# Altium PCB Waffling60-NMB.PcbDoc (part 3 of 3)
Units mm, origin at the board's own origin, x right, y up, seen from the top; angles counter-clockwise.
Board outline 284.7 x 94.21 mm, 2 copper layers (Component Side, Bottom Layer), stack 1.571 mm thick; 209 components, 132 nets, 867 pads, 230 vias.
Unrouted connection lines stored in the file: 4.
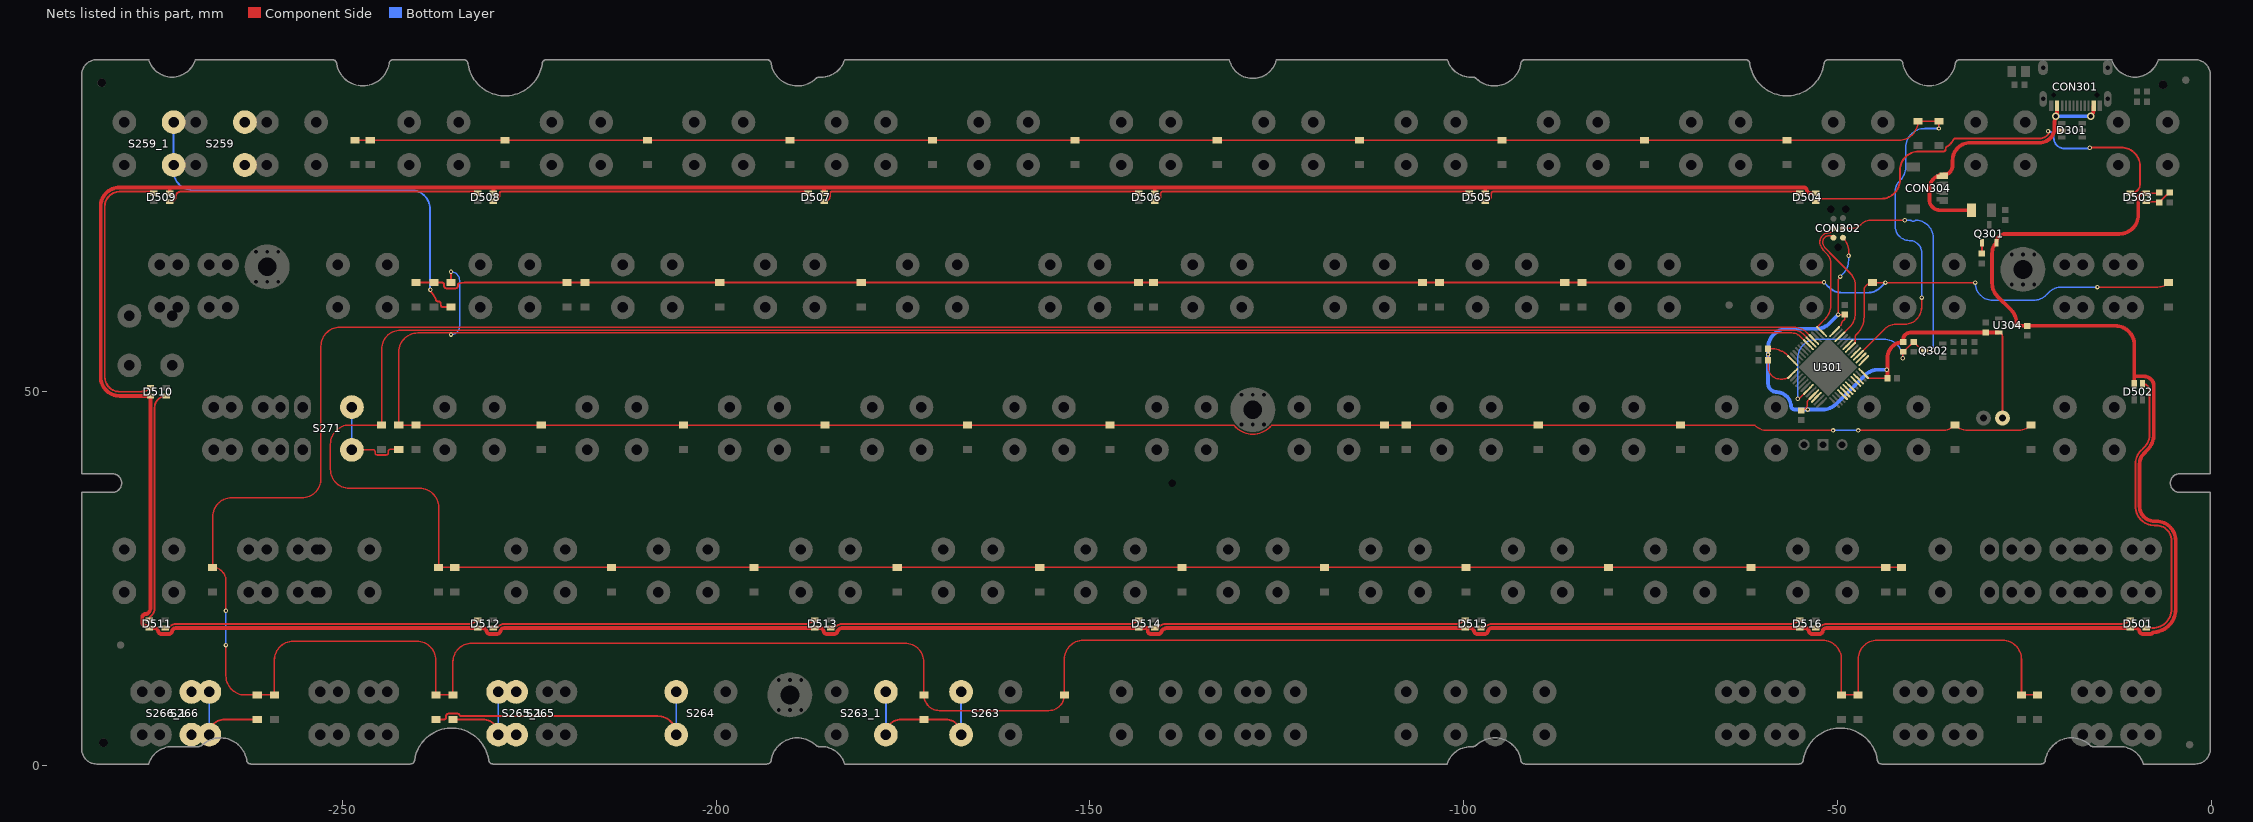
[diagram p3: the nets of this part, all layers, seen from the top]

## Via types
v1: diameter 0.6, hole 0.3, Component Side to Bottom Layer, tented both sides, 201 vias
v2: diameter 0.6, hole 0.3, Component Side to Bottom Layer, tented bottom, 25 vias
v3: diameter 1, hole 0.6, Component Side to Bottom Layer, tented both sides, 4 vias

## Nets (pads, with @x,y where several pads share a name; then routed paths per layer and width w, separated by ;. In a path a pad name is that pad's centre, name@x,y a point inside that pad or via, vN(x,y) a via of type N, cw(c..) or ccw(c..) an arc to the next point about the centre after c; other vN are vias at no path point) (continued)
NetD263_1: D263.1 S263.2 S263_1.2 | length 23.8
  Component Side w0.254: S263_1.2@-177.299,4.135 cw(c-175.251,4.135) -175.251,6.183 D263.1@-172.212,6.183 -169.279,6.183 cw(c-169.279,4.135) S263.2@-167.231,4.135
  Bottom Layer w0.254: S263_1.2@-177.299,4.135 S263_1.2@-177.299,9.855 ; S263.2@-167.231,4.135 S263.2@-167.231,9.855
NetD264_1: D264.1 S264.1 | length 39.9
  Component Side w0.254: D264.1@-237.49,6.183 -236.375,6.183 ccw(c-236.375,6.437) -236.121,6.437 -236.121,6.638 cw(c-235.814,6.638) -235.814,6.945 -234.594,6.945 cw(c-234.594,6.638) -234.314,6.765 ccw(c-234.084,6.871) -234.085,6.617 -207.813,6.617 cw(c-207.813,4.135) S264.1@-205.331,4.135
  Bottom Layer w0.254: S264.1@-205.331,4.135 S264.1@-205.331,9.855
NetD265_1: D265.1 S265.2 S265_1.2 | length 12.9
  Component Side w0.254: D265.1@-235.204,6.183 -231.191,6.183 cw(c-231.191,4.135) S265_1.2@-229.143,4.135
  Bottom Layer w0.254: S265_1.2@-229.143,4.135 S265_1.2@-229.143,9.855
NetD266_1: D266.1 S266.1 S266_1.1 | length 13.3
  Component Side w0.254: S266.1@-267.787,4.135 cw(c-265.739,4.135) -265.739,6.183 D266.1@-261.366,6.183
  Bottom Layer w0.254: S266.1@-267.787,4.135 S266.1@-267.787,9.855
NetD271_1: D271.1 S271.1 | length 13
  Component Side w0.203: S271.1@-248.712,42.235 -245.824,42.235 cw(c-245.824,42.032) -245.621,42.032 -245.621,41.828 ccw(c-245.339,41.828) -245.59,41.701 ccw(c-245.339,41.828) -245.339,41.546 -244.119,41.546 ccw(c-244.119,41.828) -243.837,41.828 -243.837,42.08 cw(c-243.634,42.08) -243.634,42.283 D271.1@-242.443,42.283
  Bottom Layer w0.203: S271.1@-248.712,42.235 S271.1@-248.712,47.955
NetD501_2: D501.2 D502.4 | length 38.9
  Component Side w0.254: D502.4@-9.208,51.065 cw(c-9.208,50.112) -8.255,50.112 -8.255,44.359 cw(c-10.795,44.359) -8.999,42.563 -9.416,42.146 ccw(c-7.62,40.35) -10.16,40.35 -10.16,34.671 ccw(c-7.62,34.671) -7.62,32.131 -7.366,32.131 cw(c-7.366,30.099) -5.334,30.099 -5.334,20.934 cw(c-7.874,20.934) -7.874,18.394 D501.2@-8.693,18.394
NetD501_4: D501.4 D516.2 | length 42.4
  Component Side w0.254: D516.2@-52.91,18.394 -52.537,18.4 -52.51,18.4 ccw(c-52.565,18.648) -52.357,18.501 cw(c-51.492,17.894) -51.494,18.951 -12.134,18.951 ccw(c-12.134,20.805) D501.4@-10.823,19.494
NetD503_2: D503.2 D504.4 | length 56.1
  Component Side w0.254: D504.4@-52.91,75.45 cw(c-52.019,74.559) -52.019,75.819 -44.196,75.819 ccw(c-44.196,78.359) -41.656,78.359 -41.656,79.621 cw(c-39.116,79.621) -39.116,82.161 -35.839,82.161 ccw(c-35.839,82.468) -35.532,82.468 -35.532,82.561 cw(c-35.278,82.56) -35.4,82.782 ccw(c-36.449,84.701) -34.49,83.729 cw(c-34.263,83.615) -34.264,83.869 -23.006,83.869 ccw(c-23.006,85.344) v1@-21.702,84.655 ; v1@-16.256,82.677 -12.065,82.677 cw(c-12.065,80.137) -9.525,80.137 -9.525,77.848 cw(c-10.823,77.848) D503.2@-10.823,76.55
  Bottom Layer w0.254: v1(-21.85,84.836) cw(c-21.85,84.068) -21.082,84.068 -21.082,83.947 ccw(c-19.685,83.947) -19.685,82.55 -16.361,82.55 ccw(c-16.361,82.64) v1(-16.271,82.64)
NetD503_4: D503.4 R306.2 R308.1 | length 3.7
  Component Side w0.203: D503.4@-8.693,75.45 -7.085,75.45 R306.2@-6.985,75.35 -6.96,75.35 -5.958,76.352 -5.886,76.352 R308.1@-5.588,76.65
NetD504_2: D504.2 D505.4 | length 43.1
  Component Side w0.254: D505.4@-97.126,75.45 -96.753,75.541 ccw(c-97.126,76.257) -96.334,76.101 cw(c-96.085,76.05) -96.33,76.117 ccw(c-96.626,76.2) -96.319,76.2 -96.319,76.519 cw(c-96.065,76.519) -96.075,76.773 ; -96.074,76.773 -55.263,76.773 cw(c-55.263,76.55) D504.2@-55.04,76.55
NetD505_2: D505.2 D506.4 | length 43
  Component Side w0.254: D506.4@-141.343,75.45 -140.97,75.541 ccw(c-141.343,76.257) -140.551,76.101 cw(c-140.302,76.05) -140.547,76.117 ccw(c-140.843,76.2) -140.536,76.2 -140.536,76.519 cw(c-140.282,76.518) -140.331,76.767 cw(c-140.27,76.454) -140.27,76.773 -99.779,76.773 cw(c-99.78,76.519) -99.707,76.762 D505.2@-99.629,76.739 ; D505.2@-99.629,76.739 D505.2@-99.256,76.55
NetD506_2: D506.2 D507.4 | length 43
  Component Side w0.254: D507.4@-185.56,75.45 -185.187,75.541 ccw(c-185.56,76.257) -184.768,76.101 cw(c-184.519,76.05) -184.764,76.117 ccw(c-185.06,76.2) -184.753,76.2 -184.753,76.519 cw(c-184.499,76.519) -184.499,76.773 -143.846,76.773 D506.2@-143.473,76.55
NetD507_2: D507.2 D508.4 | length 43
  Component Side w0.254: D508.4@-229.776,75.45 -229.403,75.541 ccw(c-229.776,76.257) -228.984,76.101 cw(c-228.735,76.05) -228.98,76.117 ccw(c-229.276,76.2) -228.969,76.2 -228.969,76.519 cw(c-228.715,76.519) -228.715,76.773 -188.234,76.773 cw(c-188.235,76.519) -188.072,76.713 D507.2@-188.064,76.707 ; D507.2@-188.063,76.707 D507.2@-187.69,76.55
NetD508_2: D508.2 D509.4 | length 42
  Component Side w0.254: D509.4@-273.093,75.45 -272.911,75.45 ccw(c-272.911,76.073) -272.288,76.073 cw(c-271.588,76.073) -271.588,76.773 -232.279,76.773 D508.2@-231.906,76.55
NetD509_2: D509.2 D510.4 | length 38
  Component Side w0.254: D510.4@-275.651,50.55 cw(c-276.962,51.861) -276.624,50.038 cw(c-276.962,51.861) -276.962,50.007 -279.781,50.007 cw(c-279.781,51.99) -281.764,51.99 -281.764,74.79 cw(c-279.781,74.79) -281.344,76.011 cw(c-281.144,75.853) -281.325,76.032 -281.023,76.334 cw(c-280.844,76.153) -281.001,76.353 cw(c-279.781,74.79) -279.781,76.773 -275.446,76.773 cw(c-275.446,76.55) D509.2@-275.223,76.55
NetD510_2: D510.2 D511.4 | length 31.1
  Component Side w0.254: D511.4@-275.823,19.494 -275.811,19.717 -275.811,19.755 cw(c-275.569,19.677) -275.709,19.889 ccw(c-276.287,20.774) -275.478,20.094 ccw(c-276.733,21.148) -275.094,21.148 -275.094,47.877 cw(c-273.521,47.877) D510.2@-273.521,49.45
NetD511_2: D511.2 D512.4 | length 42.2
  Component Side w0.254: D511.2@-273.693,18.394 -273.32,18.358 -273.225,18.358 ccw(c-273.452,18.473) -273.224,18.36 cw(c-272.275,17.894) -272.277,18.951 -233.217,18.951 ccw(c-233.217,20.805) D512.4@-231.906,19.494
NetD512_2: D512.2 D513.4 | length 43.3
  Component Side w0.254: D512.2@-229.776,18.394 -229.403,18.399 -229.378,18.399 ccw(c-229.429,18.648) -229.222,18.501 cw(c-228.359,17.89) -228.704,18.889 cw(c-228.336,17.822) -228.336,18.951 -188.134,18.951 ccw(c-188.134,20.805) D513.4@-186.823,19.494
NetD513_2: D513.2 D514.4 | length 41.5
  Component Side w0.254: D513.2@-184.693,18.394 -184.28,18.394 ccw(c-184.281,18.648) -184.092,18.478 cw(c-183.302,17.776) -184.051,18.523 -183.932,18.641 cw(c-183.184,17.894) -183.184,18.951 -144.784,18.951 ccw(c-144.784,20.805) D514.4@-143.473,19.494
NetD514_2: D514.2 D515.4 | length 41.8
  Component Side w0.254: D514.2@-141.343,18.394 -140.97,18.4 -140.943,18.4 ccw(c-140.998,18.648) -140.79,18.501 cw(c-139.925,17.894) -139.927,18.951 -101.134,18.951 ccw(c-101.134,20.805) D515.4@-99.823,19.494
NetD515_2: D515.2 D516.4 | length 43
  Component Side w0.254: D515.2@-97.693,18.394 -97.32,18.4 -97.293,18.4 ccw(c-97.348,18.648) -97.14,18.501 cw(c-96.275,17.894) -96.277,18.951 -56.351,18.951 ccw(c-56.351,20.805) D516.4@-55.04,19.494
NetQ301_1: Q301.1 R307.1 | length 1.5
  Component Side w0.254: R307.1@-30.734,68.468 ccw(c-30.734,68.534) -30.668,68.534 Q301.1@-30.668,69.92
NRST: C310.1 CON302.3 Q302.3 R303.2 U301.7 | length 58.7
  Component Side w0.203: v1(-55.342,49.08) ccw(c-55.342,49.581) -54.989,49.227 U301.7@-54.07,50.145 ; CON302.3@-49.276,71.882 -47.91,71.882 ccw(c-47.91,73.183) -46.99,72.263 cw(c-45.457,70.73) -46.78,72.447 cw(c-45.598,71.265) -45.598,72.937 v1(-41.011,72.937) ; v1(-41.275,54.483) -41.275,55.3 cw(c-41.218,55.3) R303.2@-41.218,55.357 -40.895,55.655 -40.144,56.359 C310.1@-39.821,56.657 -39.498,56.359 -38.752,55.672 Q302.3@-38.354,55.499 -37.338,55.499 ccw(c-37.338,55.626) v1(-37.211,55.626)
  Bottom Layer w0.203: v1(-55.342,49.08) -55.342,54.483 cw(c-52.802,54.483) -52.802,57.023 -43.815,57.023 cw(c-43.815,54.483) v1(-41.275,54.483) ; v1(-41.011,72.937) -40.282,72.937 cw(c-40.283,72.734) -40.259,72.936 cw(c-40.283,72.734) -40.179,72.908 ccw(c-39.878,73.406) -39.578,72.907 cw(c-39.475,72.733) -39.536,72.927 cw(c-39.475,72.733) -39.469,72.936 cw(c-39.546,70.611) -37.22,70.611 cw(c-39.751,70.396) -37.211,70.396 v1(-37.211,55.626)
PA0: U301.10
PA6: U301.16
PA7: U301.17
PA9: D215.2 D216.2 D217.2 D218.2 D219.2 D220.2 D221.2 D222.2 D223.2 D224.2 D225.2 D226.2 D227.2 D228.2 U301.30 | length 249.3
  Component Side w0.203: U301.30@-47.79,56.426 -47.689,56.527 -47.687,56.583 cw(c-47.484,56.578) -47.663,56.674 ccw(c-48.042,56.88) -47.611,56.897 -47.611,57.389 cw(c-47.229,57.389) -47.499,57.659 -47.384,57.775 ccw(c-49.609,60.004) -46.459,60.005 -46.459,63.483 cw(c-45.339,63.483) D216.2@-45.339,64.603 v1(-43.601,64.603) v1(-31.593,64.603) ; v1(-15.24,64.008) -7.151,64.008 ccw(c-7.151,66.039) D215.2@-5.715,64.603
  Component Side w0.254: D227.2@-240.157,64.603 D228.2@-237.744,64.603 -236.629,64.603 cw(c-236.629,64.349) -236.375,64.349 -236.375,64.148 ccw(c-236.068,64.148) -236.068,63.841 -234.848,63.841 ccw(c-234.848,64.148) -234.541,64.148 -234.541,64.258 cw(c-234.287,64.257) -234.359,64.5 cw(c-233.644,62.063) -233.644,64.603 D226.2@-219.964,64.603 D225.2@-217.551,64.603 D224.2@-199.517,64.603 D223.2@-180.594,64.603 D222.2@-143.51,64.603 D221.2@-141.478,64.603 D220.2@-105.537,64.603 D219.2@-103.251,64.603 D218.2@-86.487,64.603 D217.2@-84.201,64.603 -84.161,64.643 v1(-51.816,64.643)
  Bottom Layer w0.203: v1(-31.593,64.603) ccw(c-29.22,64.603) -29.22,62.23 -23.85,62.23 ccw(c-23.85,64.77) -22.054,62.974 -21.749,63.278 ; -21.749,63.279 cw(c-19.988,61.517) -19.988,64.008 v1(-15.24,64.008)
  Bottom Layer w0.254: v1(-51.816,64.643) -51.163,63.99 ccw(c-49.367,65.786) -49.367,63.246 -46.01,63.246 ccw(c-46.01,65.786) -44.214,63.99 v1(-43.601,64.603)
PA10: U301.31
PB0: U301.18
PB1: U301.19
PB4: D241.2 D256.2 D257.2 D258.2 D260.2 D261.2 D262.2 D263.2 D264.2 D265.2 D266.2 U301.40 | length 553.7
  Component Side w0.203: v1(-265.557,16.129) -265.557,11.993 ccw(c-263.017,11.993) -263.017,9.453 D266.2@-261.366,9.453 D241.2@-259.08,9.453 -259.08,14.097 cw(c-256.54,14.097) -256.54,16.637 -240.03,16.637 cw(c-240.03,14.097) -237.49,14.097 D264.2@-237.49,9.453 D265.2@-235.204,9.453 -235.204,13.843 cw(c-232.664,13.843) -232.664,16.383 -174.752,16.383 cw(c-174.752,13.843) -172.212,13.843 D263.2@-172.212,9.453 ccw(c-170.125,9.453) -170.125,7.366 -155.503,7.366 ccw(c-155.503,9.453) D262.2@-153.416,9.453 -153.416,14.224 cw(c-150.876,14.224) -150.876,16.764 -52.022,16.764 cw(c-52.022,14.224) -49.482,14.224 D260.2@-49.482,9.453 D261.2@-47.244,9.453 -47.244,14.224 cw(c-44.704,14.224) -44.704,16.764 -27.94,16.764 cw(c-27.94,14.224) -25.4,14.224 D258.2@-25.4,9.453 D257.2@-23.241,9.453 ; v1(-265.557,20.701) -265.557,24.725 ccw(c-267.335,24.725) D256.2@-267.335,26.503 -267.335,33.274 cw(c-264.795,33.274) -264.795,35.814 -255.397,35.814 ccw(c-255.397,38.354) -252.857,38.354 -252.857,56.092 cw(c-250.317,56.092) -250.317,58.632 -55.841,58.632 cw(c-55.841,56.155) -54.09,57.907 cw(c-55.841,56.155) -54.089,57.906 U301.40@-53.363,57.181
  Bottom Layer w0.203: v1(-265.557,16.129) v1(-265.557,20.701)
PB5: D242.2 D243.2 D244.2 D245.2 D246.2 D247.2 D248.2 D249.2 D250.2 D251.2 D252.2 D253.2 D254.2 D255.2 U301.41 | length 435.9
  Component Side w0.203: U301.41@-53.717,56.827 -54.642,57.753 ccw(c-55.84,56.555) -55.84,58.249 -242.189,58.249 ccw(c-242.189,55.709) -244.729,55.709 D242.2@-244.729,45.553 -249.045,45.553 ccw(c-249.045,43.013) -251.585,43.013 -251.585,39.624 ccw(c-249.045,39.624) -249.045,37.084 -239.649,37.084 cw(c-239.649,34.544) -237.109,34.544 D255.2@-237.109,26.503 D254.2@-234.95,26.503 D253.2@-213.995,26.503 D252.2@-194.945,26.503 D251.2@-175.768,26.503 D250.2@-156.718,26.503 D249.2@-137.668,26.503 D248.2@-118.618,26.503 D247.2@-99.695,26.503 D246.2@-80.645,26.503 D245.2@-61.595,26.503 D243.2@-43.561,26.503 D244.2@-41.468,26.503
PB6: D229.2 D230.2 D231.2 D232.2 D233.2 D234.2 D235.2 D236.2 D237.2 D238.2 D239.2 D240.2 D259.2 D271.2 U301.42 | length 431
  Component Side w0.203: D259.2@-235.458,64.603 v1(-235.458,66.04) ; U301.42@-54.07,56.474 -54.996,57.399 ccw(c-56.122,56.273) -56.122,57.866 -70.104,57.866 -188.341,57.866 -189.096,57.866 -196.849,57.866 ccw(c-196.852,57.662) -196.852,57.866 -231.267,57.866 -239.903,57.866 ccw(c-239.903,55.326) -242.443,55.326 D271.2@-242.443,45.553 D240.2@-240.157,45.553 D239.2@-223.393,45.553 D238.2@-204.343,45.553 D237.2@-185.42,45.553 D235.2@-147.32,45.553 -130.86,45.553 cw(c-130.861,45.35) -130.707,45.482 ccw(c-128.212,47.614) -125.717,45.483 cw(c-125.563,45.35) -125.564,45.553 D234.2@-110.617,45.553 D233.2@-107.696,45.553 D232.2@-90.043,45.553 D231.2@-70.993,45.553 -61.188,45.553 cw(c-61.189,45.35) -61.052,45.499 ccw(c-59.341,47.339) -59.341,44.827 v1(-50.609,44.827) ; v1(-47.244,44.831) -36.033,44.831 ccw(c-36.033,47.296) D230.2@-34.29,45.553 ccw(c-32.547,47.296) -32.876,44.853 ccw(c-32.547,47.296) -32.547,44.831 -25.873,44.831 ccw(c-25.873,47.296) -25.544,44.853 ccw(c-25.873,47.296) D229.2@-24.13,45.553
  Bottom Layer w0.203: v1(-235.458,57.658) ccw(c-235.458,58.801) -234.315,58.801 -234.315,64.897 ccw(c-235.458,64.897) v1(-235.458,66.04) ; v1(-50.609,44.827) -47.248,44.827 v1(-47.244,44.831)
PB10: U301.21
PB11: U301.22
PB12: U301.25
PB13: U301.26
PB14: D201.2 D202.2 D203.2 D204.2 D205.2 D206.2 D207.2 D208.2 D209.2 D210.2 D211.2 D212.2 D213.2 D214.2 U301.27 | length 255.1
  Component Side w0.203: D214.2@-248.285,83.653 D213.2@-246.253,83.653 D212.2@-228.219,83.653 D211.2@-209.169,83.653 D210.2@-190.119,83.653 D209.2@-171.069,83.653 D208.2@-152.019,83.653 D207.2@-132.969,83.653 D206.2@-113.919,83.653 D205.2@-94.869,83.653 D204.2@-75.819,83.653 D203.2@-56.769,83.653 -41.783,83.653 ccw(c-41.783,86.193) D201.2@-39.243,86.193 D202.2@-36.449,86.193 v1(-36.449,85.217) ; U301.27@-47.035,55.06 -47.035,55.073 -44.069,58.039 -43.702,58.406 cw(c-42.176,56.882) -42.176,59.038 -41.224,59.038 cw(c-41.225,58.835) -41.209,59.038 ccw(c-41.025,61.285) -39.917,59.321 ccw(c-41.025,61.285) -38.775,61.146 ccw(c-41.025,61.285) -38.773,61.391 cw(c-38.57,61.4) -38.773,61.399 -38.773,61.802 -38.773,62.52 cw(c-38.644,62.52) v1(-38.735,62.611)
  Bottom Layer w0.203: v1(-38.735,62.611) -38.735,68.58 ccw(c-40.386,68.58) -40.386,70.231 cw(c-40.386,72.136) -42.291,72.136 -42.291,76.879 cw(c-40.557,76.879) -41.783,78.105 -41.638,78.25 ccw(c-43.434,80.046) -40.894,80.046 -40.894,82.677 cw(c-38.354,82.677) -38.354,85.217 v1(-36.449,85.217)
PB15: U301.28
RAW: CON301.A4B9 CON301.B4A9 CON304.1 D301.5 F301.2 | length 41.8
  Component Side w0.5: F301.2@-32.084,74.295 -36.322,74.295 cw(c-36.322,75.692) -37.719,75.692 -37.719,77.131 cw(c-35.8,77.131) CON304.1@-35.8,79.05 ccw(c-35.8,80.225) -34.625,80.225 -34.625,80.945 cw(c-32.258,80.945) -32.258,83.312 -23.006,83.312 ccw(c-23.006,85.344) -20.974,85.344 ; CON301.B4A9@-20.6,88.3 CON301.B4A9@-20.65,88.25 -20.65,87.166 -20.811,87.005 v3(-20.811,86.87) -20.811,86.712 cw(c-21.311,86.714) -20.898,86.432 ccw(c-20.544,86.188) -20.974,86.188 -20.974,85.344 ; D301.5@-20.044,84.963 -20.974,84.963 -20.974,85.344 ; v3@-15.849,87.258 ccw(c-17.026,87.75) -15.8,87.396 ; v3@-15.849,87.258 cw(c-17.026,87.75) v3(-16.124,86.848) -16.124,86.983 v3@-15.849,87.258 ; v3@-15.849,87.258 -15.8,87.307 -15.8,87.396 ; -15.8,87.396 ccw(c-17.026,87.75) -15.75,87.75 CON301.A4B9@-15.75,88.25 -15.8,88.2 -15.8,87.396
  Bottom Layer w0.5: v3(-20.811,86.87) -20.8,86.859 -16.135,86.859 v3(-16.124,86.848)
ROT_SW_A1: D259.1 S259.1 S259_1.1 | length 59.1
  Component Side w0.254: v1(-238.213,63.648) ccw(c-237.981,63.545) -238.16,63.366 cw(c-240.165,61.333) -237.705,62.781 ; -237.551,62.482 ccw(c-240.165,61.333) -237.705,62.781 ; D259.1@-235.458,61.333 -236.573,61.333 cw(c-236.573,61.587) -236.827,61.587 -236.827,61.788 ccw(c-237.134,61.788) -237.134,62.095 -237.228,62.095 cw(c-237.227,62.349) -237.466,62.265 ccw(c-240.165,61.333) -237.703,62.778 -237.705,62.781
  Bottom Layer w0.254: S259_1.1@-272.55,86.055 S259_1.1@-272.55,80.335 -272.55,79.502 ccw(c-270.01,79.502) -270.01,76.962 -240.792,76.962 cw(c-240.792,74.422) -238.252,74.422 -238.252,63.687 v1(-238.213,63.648)
SWCLK: CON302.4 U301.37 | length 15.9
  Component Side w0.203: U301.37@-52.303,58.242 -52.709,58.648 -52.52,58.881 -51.671,59.731 ccw(c-53.467,61.527) -50.927,61.527 -50.927,67.252 ccw(c-52.6,67.252) -51.417,68.435 -51.733,68.751 cw(c-49.998,70.485) -52.364,69.839 -52.364,70.064 cw(c-51.181,70.064) -51.181,71.247 ccw(c-51.181,71.882) CON302.4@-50.546,71.882
SWDIO: CON302.2 U301.34 | length 17.5
  Component Side w0.203: -51.9,69.669 ccw(c-49.998,70.485) -51.461,69.021 -50.639,68.199 cw(c-52.705,66.131) -50.638,68.198 -48.368,65.928 cw(c-50.162,64.135) -47.659,64.544 cw(c-50.162,64.135) -47.626,64.135 -47.626,60.47 cw(c-50.166,60.47) -48.37,58.674 U301.34@-49.51,57.534 ; -51.576,69.146 cw(c-49.998,70.485) -51.972,69.863 cw(c-51.778,69.923) -51.981,69.922 -51.981,70.064 cw(c-51.181,70.064) -51.181,70.864 -50.798,70.864 cw(c-50.798,70.612) -50.747,70.859 cw(c-50.798,70.612) CON302.2@-50.546,70.612
VCC: C307.2 D501.1 D502.1 D503.1 D504.1 D505.1 D506.1 D507.1 D508.1 D509.1 D510.1 D511.1 D512.1 D513.1 D514.1 D515.1 D516.1 Q301.2 R306.1 U304.3 | length 674.2
  Component Side w0.254: D503.1@-8.693,76.55 -7.085,76.55 R306.1@-6.985,76.65
  Component Side w0.5: D509.1@-273.093,76.55 -273.093,77.33 ; D508.1@-229.776,76.55 -229.776,77.33 ; D507.1@-185.56,76.55 -185.56,77.33 ; -142.324,18.394 D514.1@-143.473,18.394 -183.184,18.394 ccw(c-183.184,17.894) -183.537,18.248 -183.657,18.128 ccw(c-183.302,17.776) -183.781,17.921 cw(c-184.193,18.044) -184.193,17.614 -185.193,17.614 cw(c-185.193,18.044) -185.617,17.975 ccw(c-186.111,17.894) -186.109,18.394 D513.1@-186.823,18.394 -228.336,18.394 ccw(c-228.336,17.822) -228.523,18.363 ccw(c-228.359,17.89) -228.852,17.974 cw(c-229.276,18.044) -228.907,17.823 cw(c-229.276,18.044) -229.276,17.614 -230.276,17.614 cw(c-230.276,18.044) -230.7,17.975 ccw(c-231.194,17.894) -231.192,18.394 D512.1@-231.906,18.394 -272.277,18.394 ccw(c-272.275,17.894) -272.768,17.976 cw(c-273.193,18.044) -273.193,17.614 -274.193,17.614 cw(c-274.193,18.044) -274.617,17.975 ccw(c-275.111,17.894) -275.109,18.394 D511.1@-275.823,18.394 -275.971,18.494 -275.971,18.499 ccw(c-276.383,18.216) -276.35,18.715 cw(c-276.323,19.144) -276.753,19.144 -276.753,19.844 cw(c-276.323,19.844) -276.323,20.274 -276.285,20.274 ccw(c-276.287,20.774) -275.905,20.451 ccw(c-276.733,21.148) -275.651,21.148 D510.1@-275.651,49.45 -279.781,49.45 cw(c-279.781,51.99) -282.321,51.99 -282.321,74.79 cw(c-279.781,74.79) -279.781,77.33 -273.093,77.33 ; -142.324,18.394 cw(c-142.773,18.173) -142.273,18.173 -142.273,18.044 ccw(c-141.843,18.044) -141.843,17.614 -140.843,17.614 ccw(c-140.843,18.044) -140.428,17.933 cw(c-139.945,17.801) -140.161,18.252 -139.966,18.345 cw(c-139.75,17.894) -139.752,18.394 -134.981,18.394 D515.1@-99.823,18.394 -99.109,18.394 cw(c-99.111,17.894) -98.617,17.975 ccw(c-98.193,18.044) -98.193,17.614 -97.193,17.614 ccw(c-97.193,18.044) -96.768,17.976 cw(c-96.275,17.894) -96.277,18.394 D516.1@-55.04,18.394 -54.326,18.394 cw(c-54.328,17.894) -53.835,17.976 ccw(c-53.41,18.044) -53.41,17.614 -52.41,17.614 ccw(c-52.41,18.044) -51.985,17.976 cw(c-51.492,17.894) -51.494,18.394 D501.1@-10.823,18.394 -10.109,18.394 cw(c-10.111,17.894) -9.617,17.975 ccw(c-9.193,18.044) -9.193,17.614 -8.193,17.614 ccw(c-8.193,18.044) -7.907,17.723 cw(c-7.574,17.349) -7.618,17.848 ccw(c-7.874,20.934) -7.065,17.945 ccw(c-7.874,20.934) -4.777,20.934 -4.777,30.099 ccw(c-7.366,30.099) -7.366,32.688 -7.62,32.688 cw(c-7.62,34.671) -8.28,32.801 cw(c-7.62,34.671) -9.603,34.671 -9.603,40.35 cw(c-7.62,40.35) -9.021,41.753 -8.604,42.17 ccw(c-10.795,44.359) -7.698,44.359 -7.698,50.751 ccw(c-9.017,50.751) -9.017,52.07 -10.308,52.07 ; D506.1@-141.343,76.55 -141.343,77.33 ; D505.1@-97.126,76.55 -97.126,77.33 ; D504.1@-52.91,76.55 -53.624,76.55 cw(c-53.622,77.05) -54.115,76.968 ccw(c-54.54,76.9) -54.54,77.33 -97.126,77.33 ; D502.1@-10.308,51.065 -10.308,52.07 ; D503.1@-8.693,76.55 -9.048,76.55 ccw(c-9.048,75.819) -9.779,75.819 -9.779,73.66 cw(c-12.319,73.66) -12.319,71.12 -27.568,71.12 ccw(c-27.568,69.92) Q301.2@-28.768,69.92 ccw(c-27.394,68.546) -29.337,68.546 -29.337,64.552 ccw(c-26.797,64.552) -28.593,62.756 -26.807,60.97 cw(c-28.603,59.174) -26.063,59.174 U304.3@-26.063,58.871 ccw(c-26.008,58.871) -26.008,58.816 C307.2@-24.638,58.816 -12.848,58.816 cw(c-12.848,56.276) -10.308,56.276 -10.308,52.07 ; -273.093,77.33 -229.776,77.33 ; -229.776,77.33 -185.56,77.33 ; -185.56,77.33 -141.343,77.33 ; -141.343,77.33 -97.126,77.33
VCC3V3: C301.2 C302.2 C303.2 C304.2 C305.2 C308.2 CON302.1 CON303.2 R303.1 U301.1 U301.9 U301.24 U301.36 U301.48 U304.2 | length 98.9
  Component Side w0.203: U301.1@-56.192,52.267 -56.341,52.117 cw(c-57.339,53.115) -56.36,52.098 cw(c-57.339,53.115) -57.339,51.704 -57.67,51.704 cw(c-57.67,53.328) -59.294,53.328 C305.2@-59.294,54.229 v1(-59.294,54.991) C304.2@-59.294,55.753 -58.644,55.753 ; U301.48@-56.192,54.353 -56.848,55.009 ccw(c-58.644,53.213) -57.351,55.399 ccw(c-57.454,55.224) -57.44,55.427 cw(c-57.404,56.007) -57.81,55.591 ccw(c-57.951,55.445) -57.889,55.638 ; C302.2@-54.864,47.513 ccw(c-54.864,48.348) -54.029,48.348 -54.029,48.61 ccw(c-54.61,48.641) -54.029,48.676 cw(c-53.827,48.687) -53.971,48.83 U301.9@-53.363,49.438 ; U301.36@-50.217,58.242 ccw(c-50.356,58.389) -50.213,58.245 -49.535,58.923 ccw(c-49.68,59.066) -49.477,59.062 cw(c-48.895,59.055) -49.139,59.583 ; v1(-49.657,65.405) ccw(c-49.044,64.792) -49.854,65.1 ccw(c-49.044,64.792) -49.911,64.792 v1(-49.911,60.325) -49.037,60.325 C303.2@-49.022,60.31 -49.022,59.766 cw(c-49.225,59.767) -49.139,59.583 ; -49.36,59.404 cw(c-48.895,59.055) -49.139,59.583 ; CON302.1@-49.276,70.612 -49.258,70.594 cw(c-51.054,68.798) -48.514,68.798 v1@-48.514,68.199 ; U301.24@-46.328,52.267 -45.877,51.816 C301.2@-43.322,51.816 ; U304.2@-28.463,57.921 cw(c-28.463,57.398) -27.94,57.398 CON303.2@-27.94,46.482 ; -58.644,55.753 cw(c-58.644,53.213) -57.889,55.638 ; -58.644,55.753 cw(c-58.644,53.213) -57.889,55.638
  Component Side w0.5: C301.2@-43.322,51.816 -43.322,54.553 cw(c-41.218,54.553) R303.1@-41.218,56.657 -41.218,56.973 cw(c-40.27,56.973) -40.27,57.921 U304.2@-28.463,57.921
  Bottom Layer w0.203: v1(-49.657,65.405) -49.273,65.789 ccw(c-51.069,67.585) -48.529,67.585 v1(-48.529,68.194)
  Bottom Layer w0.5: v1(-49.911,60.325) -51.072,59.164 cw(c-52.868,60.96) -52.868,58.42 -56.754,58.42 ccw(c-56.754,55.88) -59.294,55.88 v1(-59.294,54.991) -59.294,51.119 ccw(c-58.148,51.119) -58.223,49.975 ccw(c-58.194,50.475) -58.204,49.975 cw(c-58.237,47.955) -58.148,49.973 cw(c-58.237,47.955) -57.758,49.917 cw(c-58.237,47.955) -56.262,48.377 cw(c-58.237,47.955) -56.222,48.089 ccw(c-55.723,48.125) -55.725,47.625 v1(-53.975,47.625) -51.979,47.625 ccw(c-51.979,50.165) -50.183,48.369 -46.337,52.215 cw(c-44.541,50.419) -44.541,52.959 v1(-43.434,52.959)
pads on no net: CON301. CON301.A8 CON301.B8 CON302.0 CON302.6 D301.1 D301.6 D502.2 FID1.0 FID2.0 FID3.0 FID4.0 S201. S202. S203. S204. S205. S206. S207. S208. S209. S210. S211. S212. S213. S214. S215. S215_1. S216. S217. S218. S219. S220. S221. S222. S223. S224. S225. S226. S227. S228. S228_1. S229. S230. S231. S232. S233. S234. S235. S236. S237. S238. S239. S240. S241. S241_1. S242. S242_1. S242_2. S243. S243_1. S243_2. S243_3. S244. S245. S246. S247. S248. S249. S250. S251. S252. S253. S254. S256. S256_1. S256_2. S257. S257_1. S258. S258_1. S259. S259.2 S259_1. S260. S260_1. S261. S261_1. S262. S262_1. S262_2. S263. S263_1. S264. S265. S265_1. S266. S266_1. S269. S271.

## Polygon pours and split planes (outlines as drawn)
GND on Bottom Layer "Component Side-No Net" (hatched 45Degree grid 1.397 track 0.203, remove dead copper, pour order 0): -0.599,94.203 -0.599,0.858 -284.571,0.858 -284.571,94.203
GND on Component Side "Component Side-No Net" (hatched 45Degree grid 1.397 track 0.203, remove dead copper, pour order 1): -0.635,93.995 -0.635,0.65 -284.607,0.65 -284.607,93.995

## Other copper
Component Side:
  region net GND: 1746 vertices and 2 holes, not listed, extent -118.198,3.921 -112.286,10.06

## Silkscreen, mask and mechanical layers (free items; w line width, h text height)
Top Overlay:
  text "BL/RESET" at -32.051,48.352 h0.75
  text "ENC" at -52.959,44.704 h0.75
  text "B" at -54.864,40.259 h0.75
  text "GND" at -52.959,40.259 h0.75
  text "A" at -49.53,40.259 h0.75
  text "Waffling: adj. or verb - indecisive; unable to make up one's mind; playing the safe middle ground due to one's own lack of conviction or sense of morality." at -244.094,34 h2.9
  text "Waffling60 -E2" at -144.607,13.626 h3
  text "NMB" at -130.683,12.7 h1.75
Bottom Overlay:
  circle w0.4: c-64.585,16.073 r0.75
  circle w0.4: c-45.535,16.073 r0.75
  circle w0.4: c-223.646,6.985 r0.75
  circle w0.4: c-247.459,6.985 r0.75
  circle w0.4: c-271.271,6.985 r0.75
  circle w0.4: c-142.684,6.985 r0.75
  circle w0.4: c-61.721,6.985 r0.75
  circle w0.4: c-37.909,6.985 r0.75
  circle w0.4: c-14.097,6.985 r0.75
  lines w0.2: -240.157,13.843 -213.995,13.843 ; -234.27,16.581 -231.902,16.581 ; -222.432,16.581 -220.064,16.581 ; -69.41,13.335 -41.41,13.335 ; -62.058,16.073 -59.69,16.073 ; -50.22,16.073 -47.852,16.073 ; -234.977,16.581 -234.27,15.874 -234.27,17.288 -234.977,16.581 ; -220.064,15.874 -220.064,17.288 -219.357,16.581 -220.064,15.874 ; -62.765,16.073 -62.058,16.78 -62.058,15.366 -62.765,16.073 ; -47.852,15.366 -47.145,16.073 -47.852,16.78 -47.852,15.366
  text "x" at -237.598,15.894 h1.75
  text "x" at -218.04,15.894 h1.75
  text "X shows 6.25U space with 1.25U mods" at -214.503,14.347 h0.75
  text "Circles shows Tsangan layout, 7U space" at -41.656,13.839 h0.75
  text "x" at -273.983,6.369 h1.75
  text "x" at -250.171,6.369 h1.75
  text "x" at -226.358,6.369 h1.75
  text "x" at -202.546,6.369 h1.75
  text "x" at -131.108,6.369 h1.75
  text "x" at -59.671,6.369 h1.75
  text "x" at -35.858,6.369 h1.75
  text "x" at -12.046,6.369 h1.75
Top Solder:
  drawing of 2 lines, arcs and shapes, not listed
outline:
  lines w0.1: -131.361,94.414 ccw(c-128.211,95.149) -125.061,94.415 ; -131.361,94.415 -182.809,94.415 cw(c-185.924,95.339) -185.925,92.09 -186.179,92.09 ccw(c-186.18,91.366) -186.692,91.878 cw(c-189.125,94.471) -192.625,93.844 ccw(c-193.195,93.845) -193.196,94.415 -222.695,94.415 ccw(c-222.696,93.845) -223.266,93.844 cw(c-228.225,94.614) -233.184,93.844 ccw(c-233.754,93.845) -233.755,94.415 -243.178,94.415 ccw(c-243.179,93.845) -243.749,93.844 cw(c-247.249,94.471) -250.749,93.844 ccw(c-251.319,93.845) -251.32,94.415 -269.659,94.415 cw(c-272.775,95.341) -275.891,94.415 -282.85,94.415 ccw(c-282.849,92.414) -284.85,92.415 -284.85,39.215 -284.85,39.04 -280.759,39.04 cw(c-280.759,37.79) -280.759,36.54 -284.85,36.54 -284.85,2.215 ccw(c-282.849,2.216) -282.85,0.215 -275.891,0.215 cw(c-272.776,-0.709) -272.775,2.54 -269.318,2.54 ccw(c-269.319,3.455) -268.672,2.808 cw(c-266.3,0.158) -262.799,0.786 ccw(c-262.229,0.785) -262.228,0.215 -240.884,0.215 ccw(c-240.885,0.772) -240.328,0.771 cw(c-235.369,0.001) -230.41,0.771 ccw(c-229.853,0.772) -229.854,0.215 -193.196,0.215 ccw(c-193.195,0.785) -192.625,0.786 cw(c-189.125,0.16) -186.682,2.743 ccw(c-186.19,3.237) -186.193,2.54 -185.925,2.54 cw(c-185.924,-0.709) -182.809,0.215 -102.203,0.215 ; -125.061,94.415 -102.191,94.415 ccw(c-99.076,95.339) -99.075,92.09 -98.849,92.09 cw(c-98.85,91.29) -98.285,91.856 ccw(c-95.875,94.471) -92.375,93.844 cw(c-91.805,93.845) -91.804,94.415 -62.305,94.415 cw(c-62.304,93.845) -61.734,93.844 ccw(c-56.775,94.615) -51.816,93.844 cw(c-51.246,93.845) -51.245,94.415 -41.822,94.415 cw(c-41.821,93.845) -41.251,93.844 ccw(c-37.751,94.471) -34.251,93.844 cw(c-33.681,93.845) -33.68,94.415 -13.341,94.415 ccw(c-10.225,95.341) -7.109,94.415 -2.15,94.415 cw(c-2.151,92.414) -0.15,92.415 -0.15,39.04 -4.241,39.04 ccw(c-4.241,37.79) -4.241,36.54 -0.15,36.54 ; -102.203,0.204 cw(c-99.088,-0.72) -99.087,2.529 -98.833,2.529 ccw(c-98.832,3.253) -98.32,2.741 cw(c-95.875,0.159) -92.375,0.786 ccw(c-91.805,0.785) -91.804,0.215 -55.146,0.215 ccw(c-55.147,0.772) -54.59,0.771 cw(c-49.631,0.001) -44.672,0.771 ccw(c-44.115,0.772) -44.116,0.215 -22.772,0.215 ccw(c-22.771,0.785) -22.201,0.786 cw(c-18.701,0.16) -16.234,2.72 ccw(c-15.799,3.155) -15.8,2.54 -12.225,2.54 cw(c-12.224,-0.709) -9.109,0.215 -2.15,0.215 ccw(c-2.151,2.216) -0.15,2.215 -0.15,36.543
Mechanical 2:
  circle w0.013: c-9.15,85.415 r1.994
  lines w0.013: -260.431,65.115 cw(c-260.431,66.365) -260.431,67.615 -257.931,67.615 cw(c-257.931,66.365) -257.931,65.115 -260.431,65.115 ; -232.987,36.996 cw(c-232.987,37.79) -232.987,38.584 -42.487,38.584 cw(c-42.487,37.79) -42.487,36.996 -232.987,36.996 ; -191.433,8.092 cw(c-191.433,9.342) -191.433,10.592 -188.933,10.592 cw(c-188.933,9.342) -188.933,8.092 -191.433,8.092 ; -129.463,46.065 cw(c-129.463,47.315) -129.463,48.565 -126.963,48.565 cw(c-126.963,47.315) -126.963,46.065 -129.463,46.065 ; -27.037,65.115 cw(c-27.037,66.365) -27.037,67.615 -24.537,67.615 cw(c-24.537,66.365) -24.537,65.115 -27.037,65.115
  lines w0.1: -102.203,0.204 cw(c-99.088,-0.72) -99.087,2.529 -98.833,2.529 ccw(c-98.832,3.253) -98.32,2.741 cw(c-95.875,0.159) -92.375,0.786 ccw(c-91.805,0.785) -91.804,0.215 -55.146,0.215 ccw(c-55.147,0.772) -54.59,0.771 cw(c-49.631,0.001) -44.672,0.771 ccw(c-44.115,0.772) -44.116,0.215 -22.772,0.215 ccw(c-22.771,0.785) -22.201,0.786 cw(c-18.701,0.16) -16.234,2.72 ccw(c-15.799,3.155) -15.8,2.54 -12.225,2.54 cw(c-12.224,-0.709) -9.109,0.215 -2.15,0.215 ccw(c-2.151,2.216) -0.15,2.215 -0.15,36.543 cw(c-0.241,37.79) -0.241,36.54 -4.241,36.54 cw(c-4.241,37.79) -4.241,39.04 -0.241,39.04 cw(c-0.241,37.79) -0.15,39.037 -0.15,39.215 -0.15,92.415 ccw(c-2.151,92.414) -2.15,94.415 -7.109,94.415 cw(c-10.225,95.341) -13.341,94.415 -33.68,94.415 ccw(c-33.681,93.845) -34.251,93.844 cw(c-37.751,94.471) -41.251,93.844 ccw(c-41.821,93.845) -41.822,94.415 -51.245,94.415 ccw(c-51.246,93.845) -51.816,93.844 cw(c-56.775,94.615) -61.734,93.844 ccw(c-62.304,93.845) -62.305,94.415 -91.804,94.415 ccw(c-91.805,93.845) -92.375,93.844 cw(c-95.875,94.471) -98.285,91.856 ccw(c-98.85,91.29) -98.849,92.09 -99.075,92.09 cw(c-99.076,95.339) -102.191,94.415 -182.809,94.415 cw(c-185.924,95.339) -185.925,92.09 -186.179,92.09 ccw(c-186.18,91.366) -186.692,91.878 cw(c-189.125,94.471) -192.625,93.844 ccw(c-193.195,93.845) -193.196,94.415 -222.695,94.415 ccw(c-222.696,93.845) -223.266,93.844 cw(c-228.225,94.614) -233.184,93.844 ccw(c-233.754,93.845) -233.755,94.415 -243.178,94.415 ccw(c-243.179,93.845) -243.749,93.844 cw(c-247.249,94.471) -250.749,93.844 ccw(c-251.319,93.845) -251.32,94.415 -269.659,94.415 cw(c-272.775,95.341) -275.891,94.415 -282.85,94.415 ccw(c-282.849,92.414) -284.85,92.415 -284.85,39.215 -284.85,39.037 cw(c-284.759,37.79) -284.759,39.04 -280.759,39.04 cw(c-280.759,37.79) -280.759,36.54 -284.759,36.54 cw(c-284.759,37.79) -284.85,36.543 -284.85,2.215 ccw(c-282.849,2.216) -282.85,0.215 -275.891,0.215 cw(c-272.776,-0.709) -272.775,2.54 -269.318,2.54 ccw(c-269.319,3.455) -268.672,2.808 cw(c-266.3,0.158) -262.799,0.786 ccw(c-262.229,0.785) -262.228,0.215 -240.884,0.215 ccw(c-240.885,0.772) -240.328,0.771 cw(c-235.369,0.001) -230.41,0.771 ccw(c-229.853,0.772) -229.854,0.215 -193.196,0.215 ccw(c-193.195,0.785) -192.625,0.786 cw(c-189.125,0.16) -186.682,2.743 ccw(c-186.19,3.237) -186.193,2.54 -185.925,2.54 cw(c-185.924,-0.709) -182.809,0.215 -102.203,0.215
Mechanical 7:
  circle w0.254: c-11.531,9.215 r0.992
  circle w0.254: c-13.912,9.215 r0.992
  circle w0.254: c-35.343,9.215 r0.992
  circle w0.254: c-37.724,9.215 r0.992
  circle w0.254: c-56.774,9.215 r0.992
  circle w0.254: c-59.156,9.215 r0.992
  circle w0.254: c-61.537,9.215 r0.992
  circle w0.254: c-80.587,9.215 r0.992
  circle w0.254: c-92.493,9.215 r0.992
  circle w0.254: c-104.399,9.215 r0.992
  circle w0.254: c-125.823,9.215 r0.992
  circle w0.254: c-130.593,9.215 r0.992
  circle w0.254: c-142.499,9.215 r0.992
  circle w0.254: c-151.931,9.215 r0.992
  circle w0.254: c-163.931,9.215 r0.992
  circle w0.254: c-180.599,9.215 r0.992
  circle w0.254: c-202.031,9.215 r0.992
  circle w0.254: c-223.462,9.215 r0.992
  circle w0.254: c-225.843,9.215 r0.992
  circle w0.254: c-247.274,9.215 r0.992
  circle w0.254: c-249.656,9.215 r0.992
  circle w0.254: c-271.087,9.215 r0.992
  circle w0.254: c-273.468,9.215 r0.992
Mechanical 13:
  lines w0.1: -24.208,94.415 -13.477,94.415 ccw(c-10.327,95.149) -7.177,94.415 ; -23.553,94.415 -95.95,94.415 cw(c-99.1,95.149) -102.25,94.415 -182.75,94.415 cw(c-185.9,95.149) -189.05,94.415 -269.55,94.415 cw(c-272.7,95.149) -275.85,94.415 -282.85,94.415 ccw(c-282.85,92.415) -284.85,92.415 -284.85,36.565 -284.85,2.215 ccw(c-282.85,2.215) -282.85,0.215 -275.85,0.215 cw(c-272.7,-0.52) -269.55,0.215 -189.05,0.215 cw(c-185.9,-0.52) -182.75,0.215 -102.25,0.215 cw(c-99.1,-0.52) -95.95,0.215 -15.45,0.215 cw(c-12.3,-0.52) -9.15,0.215 -2.15,0.215 ccw(c-2.15,2.215) -0.15,2.215 -0.15,36.576 -0.15,92.415 ccw(c-2.15,92.415) -2.15,94.415 -7.15,94.415
Mechanical 16:
  drawing of 562 lines, arcs and shapes, not listed

## Text inside footprints (layer, text, board x,y; h text height)
CON301: Mechanical 15 "connector edge" at -15.25,95.5 h1 r180